# Altium PCB Apalis-Smart-Vision-Baseboard.PcbDoc (part 5 of 6)
Units mm, origin at the board's own origin, x right, y up, seen from the top; angles counter-clockwise.
Board outline 100 x 70 mm, 4 copper layers (Top Layer, Power Plane, Ground Plane, Bottom Layer), stack 1.52 mm thick; 202 components, 197 nets, 1190 pads, 441 vias.
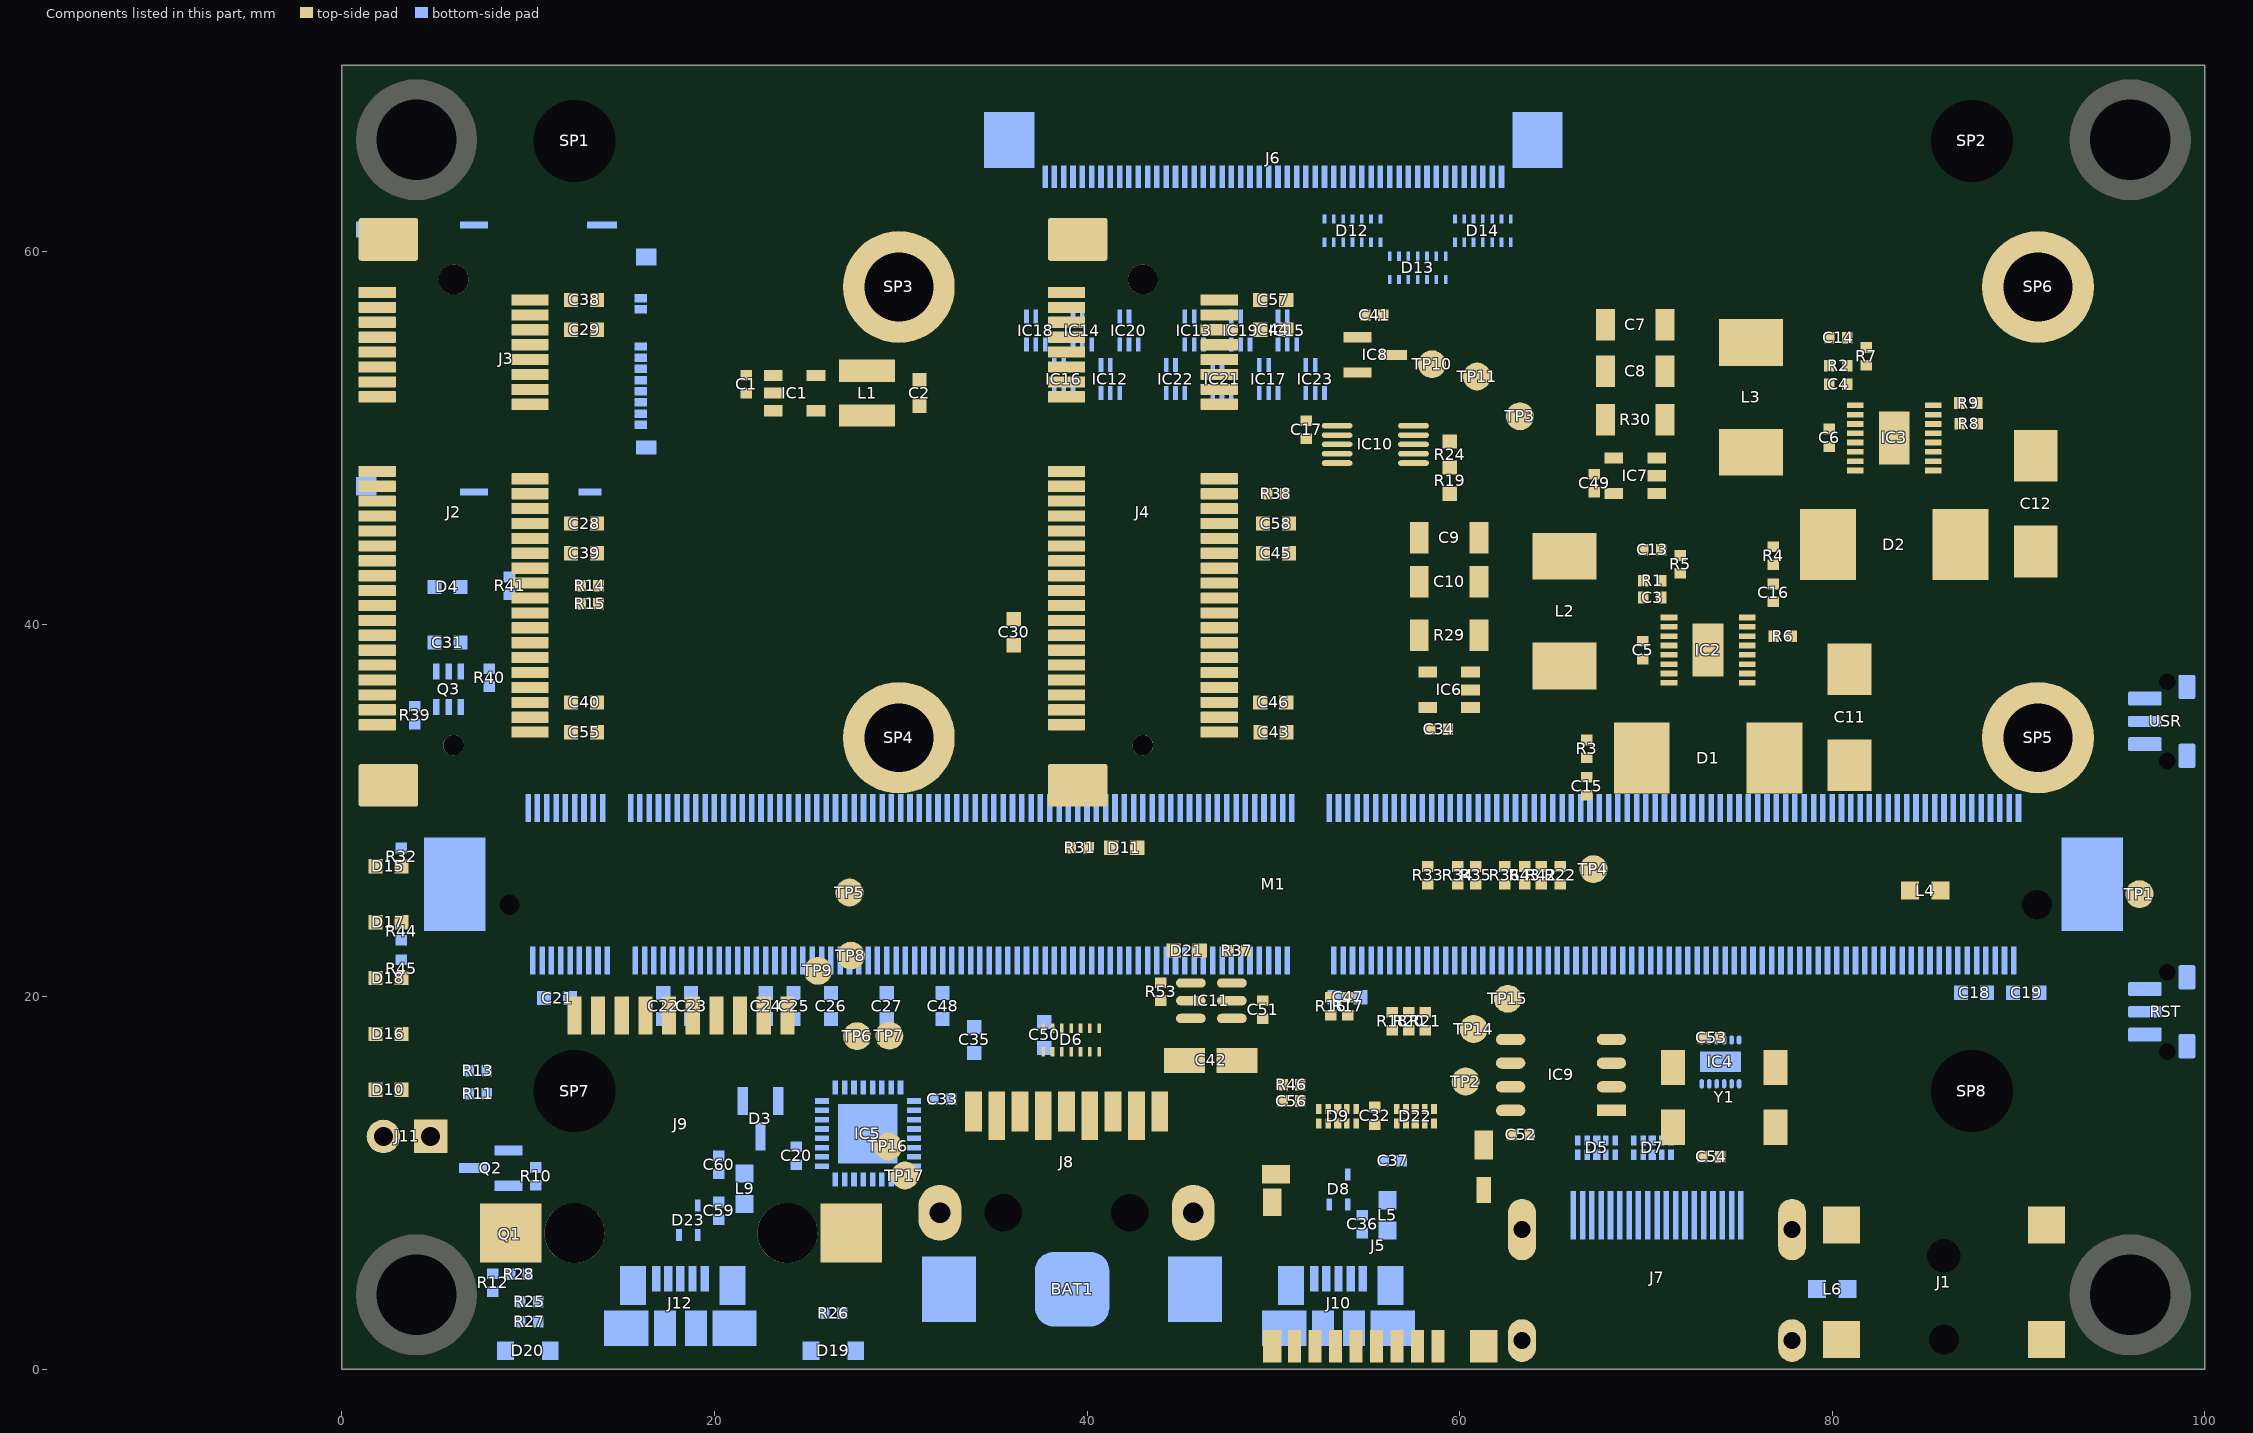
[diagram p7: the components of this part, seen from the top]

## Via types
v1: diameter 0.6, hole 0.25, Top Layer to Bottom Layer, tented both sides, 440 vias
v2: diameter 0.6, hole 0.25, Top Layer to Bottom Layer, 1 vias

## Nets (pads, with @x,y where several pads share a name; then routed paths per layer and width w, separated by ;. In a path a pad name is that pad's centre, name@x,y a point inside that pad or via, vN(x,y) a via of type N, cw(c..) or ccw(c..) an arc to the next point about the centre after c; other vN are vias at no path point) (continued)
copper on no net: (continued)
  Bottom Layer w0.009: 95.572,7.547 95.719,7.547 ; 95.572,7.556 95.719,7.556 ; 95.572,7.565 95.719,7.565 ; 95.572,8.75 96.095,8.75 ; 95.572,8.759 96.104,8.759 ; 95.572,9.025 96.022,9.025 ; 95.572,9.273 96.077,9.273 ; 95.581,7.519 95.71,7.519 ; 95.581,7.528 95.71,7.528 ; 95.581,8.74 96.077,8.74 ; 95.581,9.034 96.031,9.034 ; 95.581,9.255 95.737,9.255 ; 95.581,9.264 95.783,9.264 ; 95.581,9.328 96.031,9.328 ; 95.59,9.043 96.04,9.043 ; 95.59,9.245 95.71,9.245 ; 95.59,9.337 96.022,9.337 ; 95.599,8.731 96.068,8.731 ; 95.599,9.053 96.049,9.053 ; 95.599,9.236 95.691,9.236 ; 95.609,8.722 96.049,8.722 ; 95.609,9.227 95.673,9.227 ; 95.609,9.346 96.013,9.346 ; 95.618,8.713 96.031,8.713 ; 95.618,9.062 96.058,9.062 ; 95.618,9.218 95.654,9.218 ; 95.627,9.209 95.645,9.209 ; 95.627,9.356 95.994,9.356 ; 95.636,8.704 96.013,8.704 ; 95.636,9.071 96.068,9.071 ; 95.645,9.365 95.985,9.365 ; 95.654,7.74 95.774,7.74 ; 95.654,7.749 95.783,7.749 ; 95.654,7.758 95.783,7.758 ; 95.654,8.695 95.994,8.695 ; 95.654,9.08 96.068,9.08 ; 95.664,7.767 95.783,7.767 ; 95.664,7.776 95.792,7.776 ; 95.664,7.785 95.792,7.785 ; 95.664,7.795 95.792,7.795 ; 95.673,7.804 95.801,7.804 ; 95.673,7.813 95.801,7.813 ; 95.673,7.822 95.801,7.822 ; 95.673,8.685 95.967,8.685 ; 95.673,9.374 95.957,9.374 ; 95.682,7.831 95.811,7.831 ; 95.682,7.841 95.811,7.841 ; 95.682,7.85 95.811,7.85 ; 95.682,7.859 95.82,7.859 ; 95.691,7.868 95.82,7.868 ; 95.691,7.877 95.82,7.877 ; 95.691,7.886 95.829,7.886 ; 95.691,7.896 95.829,7.896 ; 95.691,9.089 96.077,9.089 ; 95.7,7.905 95.829,7.905 ; 95.7,7.914 95.829,7.914 ; 95.7,7.923 95.838,7.923 ; 95.7,8.676 95.939,8.676 ; 95.7,9.383 95.939,9.383 ; 95.71,7.932 95.838,7.932 ; 95.71,7.942 95.838,7.942 ; 95.71,7.951 95.847,7.951 ; 95.71,7.96 95.847,7.96 ; 95.719,7.969 95.847,7.969 ; 95.719,7.978 95.856,7.978 ; 95.719,7.988 95.856,7.988 ; 95.719,7.997 95.856,7.997 ; 95.728,8.006 95.866,8.006 ; 95.728,8.015 95.866,8.015 ; 95.728,8.024 95.866,8.024 ; 95.737,8.033 95.875,8.033 ; 95.737,8.043 95.875,8.043 ; 95.737,8.052 95.875,8.052 ; 95.737,8.061 95.884,8.061 ; 95.737,9.392 95.893,9.392 ; 95.746,8.07 95.884,8.07 ; 95.746,8.079 95.884,8.079 ; 95.746,8.089 95.893,8.089 ; 95.746,8.098 95.893,8.098 ; 95.746,8.667 95.902,8.667 ; 95.755,8.107 95.893,8.107 ; 95.755,8.116 95.893,8.116 ; 95.755,8.125 95.902,8.125 ; 95.765,8.134 95.902,8.134 ; 95.765,8.144 95.902,8.144 ; 95.765,8.153 95.912,8.153 ; 95.765,8.162 95.912,8.162 ; 95.774,8.171 95.912,8.171 ; 95.774,8.18 95.921,8.18 ; 95.774,8.19 95.921,8.19 ; 95.774,8.199 95.921,8.199 ; 95.774,9.099 96.077,9.099 ; 95.783,8.208 95.93,8.208 ; 95.783,8.217 95.93,8.217 ; 95.783,8.226 95.93,8.226 ; 95.792,8.235 95.939,8.235 ; 95.811,12.891 97.647,12.891 ; 95.856,9.264 96.077,9.264 ; 95.866,8.796 96.132,8.796 ; 95.875,9.108 96.077,9.108 ; 95.884,12.881 97.647,12.881 ; 95.902,8.805 96.123,8.805 ; 95.902,9.117 96.086,9.117 ; 95.902,9.255 96.077,9.255 ; 95.921,9.126 96.086,9.126 ; 95.921,9.245 96.086,9.245 ; 95.93,9.236 96.086,9.236 ; 95.93,12.872 97.647,12.872 ; 95.939,8.814 96.114,8.814 ; 95.939,9.135 96.086,9.135 ; 95.939,9.144 96.086,9.144 ; 95.939,9.218 96.086,9.218 ; 95.939,9.227 96.086,9.227 ; 95.948,9.154 96.095,9.154 ; 95.948,9.163 96.095,9.163 ; 95.948,9.172 96.095,9.172 ; 95.948,9.181 96.095,9.181 ; 95.948,9.19 96.095,9.19 ; 95.948,9.2 96.095,9.2 ; 95.948,9.209 96.086,9.209 ; 95.957,8.823 96.104,8.823 ; 95.967,12.863 97.656,12.863 ; 95.976,8.832 96.095,8.832 ; 95.985,8.841 96.086,8.841 ; 96.003,8.851 96.077,8.851 ; 96.003,12.854 97.656,12.854 ; 96.013,8.86 96.068,8.86 ; 96.022,7.519 96.159,7.519 ; 96.022,7.528 96.159,7.528 ; 96.022,7.538 96.159,7.538 ; 96.022,7.547 96.159,7.547 ; 96.022,7.556 96.159,7.556 ; 96.022,7.565 96.159,7.565 ; 96.022,7.574 96.159,7.574 ; 96.022,7.584 96.159,7.584 ; 96.022,7.593 96.536,7.593 ; 96.022,7.602 96.545,7.602 ; 96.022,7.611 96.554,7.611 ; 96.022,7.62 96.554,7.62 ; 96.022,7.629 96.563,7.629 ; 96.022,7.639 96.573,7.639 ; 96.022,7.648 96.573,7.648 ; 96.022,7.657 96.26,7.657 ; 96.022,7.666 96.233,7.666 ; 96.022,7.675 96.224,7.675 ; 96.022,7.684 96.215,7.684 ; 96.022,7.694 96.205,7.694 ; 96.022,7.703 96.196,7.703 ; 96.022,7.712 96.196,7.712 ; 96.022,7.721 96.187,7.721 ; 96.022,7.73 96.178,7.73 ; 96.022,7.74 96.178,7.74 ; 96.022,7.749 96.178,7.749 ; 96.022,7.758 96.178,7.758 ; 96.022,7.767 96.169,7.767 ; 96.022,7.776 96.169,7.776 ; 96.022,7.785 96.169,7.785 ; 96.022,7.795 96.169,7.795 ; 96.022,7.804 96.169,7.804 ; 96.022,7.813 96.169,7.813 ; 96.022,7.822 96.169,7.822 ; 96.022,7.831 96.169,7.831 ; 96.022,7.841 96.169,7.841 ; 96.022,7.85 96.169,7.85 ; 96.022,7.859 96.159,7.859 ; 96.022,7.868 96.159,7.868 ; 96.022,7.877 96.159,7.877 ; 96.022,7.886 96.159,7.886 ; 96.022,7.896 96.159,7.896 ; 96.022,7.905 96.169,7.905 ; 96.022,7.914 96.169,7.914 ; 96.022,7.923 96.169,7.923 ; 96.022,7.932 96.169,7.932 ; 96.022,7.942 96.169,7.942 ; 96.022,7.951 96.169,7.951 ; 96.022,7.96 96.169,7.96 ; 96.022,7.969 96.169,7.969 ; 96.022,7.978 96.169,7.978 ; 96.022,7.988 96.169,7.988 ; 96.022,7.997 96.169,7.997 ; 96.022,8.006 96.178,8.006 ; 96.022,8.015 96.178,8.015 ; 96.022,8.024 96.178,8.024 ; 96.022,8.033 96.187,8.033 ; 96.022,8.043 96.187,8.043 ; 96.022,8.052 96.196,8.052 ; 96.022,8.061 96.205,8.061 ; 96.022,8.07 96.205,8.07 ; 96.022,8.079 96.224,8.079 ; 96.022,8.089 96.233,8.089 ; 96.022,8.098 96.251,8.098 ; 96.022,8.107 96.297,8.107 ; 96.022,8.116 96.573,8.116 ; 96.022,8.125 96.563,8.125 ; 96.022,8.134 96.563,8.134 ; 96.022,8.144 96.554,8.144 ; 96.022,8.153 96.545,8.153 ; 96.022,8.162 96.545,8.162 ; 96.022,8.171 96.159,8.171 ; 96.022,8.18 96.159,8.18 ; 96.022,8.19 96.159,8.19 ; 96.022,8.199 96.159,8.199 ; 96.022,8.208 96.159,8.208 ; 96.022,8.217 96.159,8.217 ; 96.022,8.226 96.159,8.226 ; 96.022,8.235 96.159,8.235 ; 96.022,8.245 96.159,8.245 ; 96.022,8.254 96.159,8.254 ; 96.022,8.263 96.159,8.263 ; 96.022,8.272 96.159,8.272 ; 96.022,8.281 96.159,8.281 ; 96.022,8.291 96.159,8.291 ; 96.022,8.3 96.159,8.3 ; 96.022,8.309 96.159,8.309 ; 96.022,8.318 96.159,8.318 ; 96.022,8.327 96.159,8.327 ; 96.022,8.336 96.159,8.336 ; 96.022,8.346 96.159,8.346 ; 96.022,8.355 96.159,8.355 ; 96.022,8.364 96.159,8.364 ; 96.022,8.373 96.159,8.373 ; 96.022,8.382 96.159,8.382 ; 96.022,8.392 96.159,8.392 ; 96.022,8.401 96.159,8.401 ; 96.022,8.41 96.159,8.41 ; 96.022,8.419 96.159,8.419 ; 96.022,8.428 96.159,8.428 ; 96.022,8.437 96.159,8.437 ; 96.022,8.447 96.159,8.447 ; 96.022,8.456 96.159,8.456 ; 96.022,8.465 96.159,8.465 ; 96.022,8.474 96.159,8.474 ; 96.022,8.483 96.159,8.483 ; 96.022,8.493 96.159,8.493 ; 96.022,8.502 96.159,8.502 ; 96.022,8.511 96.159,8.511 ; 96.022,8.52 96.159,8.52 ; 96.022,8.529 96.159,8.529 ; 96.022,8.869 96.058,8.869 ; 96.022,12.845 97.665,12.845 ; 96.031,8.878 96.049,8.878 ; 96.049,12.836 97.665,12.836 ; 96.058,11.385 97.665,11.385 ; 96.058,11.394 97.674,11.394 ; 96.058,11.403 97.674,11.403 ; 96.068,11.366 97.656,11.366 ; 96.068,11.376 97.665,11.376 ; 96.068,11.412 97.674,11.412 ; 96.068,12.826 97.665,12.826 ; 96.077,11.339 97.647,11.339 ; 96.077,11.348 97.656,11.348 ; 96.077,11.357 97.656,11.357 ; 96.077,11.422 97.684,11.422 ; 96.086,11.321 97.638,11.321 ; 96.086,11.33 97.647,11.33 ; 96.086,11.431 97.684,11.431 ; 96.086,12.817 97.674,12.817 ; 96.095,11.302 97.638,11.302 ; 96.095,11.311 97.638,11.311 ; 96.104,11.275 97.619,11.275 ; 96.104,11.284 97.629,11.284 ; 96.104,11.293 97.629,11.293 ; 96.104,11.44 97.693,11.44 ; 96.104,12.808 97.674,12.808 ; 96.114,11.256 97.619,11.256 ; 96.114,11.265 97.619,11.265 ; 96.114,11.449 97.693,11.449 ; 96.123,11.229 97.601,11.229 ; 96.123,11.238 97.61,11.238 ; 96.123,11.247 97.61,11.247 ; 96.123,12.799 97.684,12.799 ; 96.132,11.21 97.601,11.21 ; 96.132,11.22 97.601,11.22 ; 96.132,11.458 97.693,11.458 ; 96.141,11.192 97.592,11.192 ; 96.141,11.201 97.592,11.201 ; 96.141,11.467 97.702,11.467 ; 96.141,12.79 97.684,12.79 ; 96.15,11.164 97.583,11.164 ; 96.15,11.174 97.583,11.174 ; 96.15,11.183 97.583,11.183 ; 96.159,11.146 97.573,11.146 ; 96.159,11.155 97.573,11.155 ; 96.159,11.477 97.702,11.477 ; 96.159,12.78 97.693,12.78 ; 96.169,11.119 97.564,11.119 ; 96.169,11.128 97.564,11.128 ; 96.169,11.137 97.564,11.137 ; 96.169,11.486 97.711,11.486 ; 96.169,12.771 97.693,12.771 ; 96.178,7.584 96.527,7.584 ; 96.178,8.171 96.536,8.171 ; 96.178,11.1 97.555,11.1 ; 96.178,11.109 97.555,11.109 ; 96.178,11.495 97.711,11.495 ; 96.187,7.574 96.518,7.574 ; 96.187,8.18 96.527,8.18 ; 96.187,11.073 97.546,11.073 ; 96.187,11.082 97.546,11.082 ; 96.187,11.091 97.546,11.091 ; 96.187,12.762 97.693,12.762 ; 96.196,7.565 96.508,7.565 ; 96.196,8.19 96.518,8.19 ; 96.196,11.054 97.546,11.054 ; 96.196,11.063 97.546,11.063 ; 96.196,11.504 97.711,11.504 ; 96.196,12.753 97.702,12.753 ; 96.205,11.036 97.555,11.036 ; 96.205,11.045 97.555,11.045 ; 96.205,11.513 97.72,11.513 ; 96.215,7.556 96.499,7.556 ; 96.215,8.199 96.499,8.199 ; 96.215,11.008 97.573,11.008 ; 96.215,11.018 97.573,11.018 ; 96.215,11.027 97.564,11.027 ; 96.215,11.523 97.72,11.523 ; 96.215,12.744 97.702,12.744 ; 96.224,7.547 96.49,7.547 ; 96.224,8.208 96.49,8.208 ; 96.224,10.99 97.592,10.99 ; 96.224,10.999 97.583,10.999 ; 96.224,12.735 97.711,12.735 ; 96.233,10.962 97.61,10.962 ; 96.233,10.972 97.601,10.972 ; 96.233,10.981 97.592,10.981 ; 96.233,11.532 97.73,11.532 ; 96.233,12.725 97.711,12.725 ; 96.242,7.538 96.472,7.538 ; 96.242,8.217 96.472,8.217 ; 96.242,10.944 97.619,10.944 ; 96.242,10.953 97.61,10.953 ; 96.242,11.541 97.73,11.541 ; 96.251,10.926 97.629,10.926 ; 96.251,10.935 97.629,10.935 ; 96.251,11.55 97.73,11.55 ; 96.251,12.716 97.72,12.716 ; 96.26,7.528 96.453,7.528 ; 96.26,8.226 96.453,8.226 ; 96.26,10.898 97.656,10.898 ; 96.26,10.907 97.647,10.907 ; 96.26,10.917 97.638,10.917 ; 96.26,11.559 97.739,11.559 ; 96.26,12.707 97.72,12.707 ; 96.27,10.88 97.665,10.88 ; 96.27,10.889 97.656,10.889 ; 96.27,11.568 97.739,11.568 ; 96.27,12.698 97.72,12.698 ; 96.279,10.852 97.684,10.852 ; 96.279,10.861 97.674,10.861 ; 96.279,10.871 97.674,10.871 ; 96.279,11.578 97.748,11.578 ; 96.279,12.689 97.73,12.689 ; 96.288,7.519 96.426,7.519 ; 96.288,8.235 96.435,8.235 ; 96.288,10.834 97.693,10.834 ; 96.288,10.843 97.693,10.843 ; 96.288,12.679 97.73,12.679 ; 96.297,10.806 97.711,10.806 ; 96.297,10.816 97.711,10.816 ; 96.297,10.825 97.702,10.825 ; 96.297,11.587 97.748,11.587 ; 96.297,12.67 97.739,12.67 ; 96.306,10.788 97.73,10.788 ; 96.306,10.797 97.72,10.797 ; 96.306,11.596 97.748,11.596 ; 96.306,12.661 97.739,12.661 ; 96.316,10.77 97.739,10.77 ; 96.316,10.779 97.73,10.779 ; 96.316,11.605 97.757,11.605 ; 96.316,12.652 97.748,12.652 ; 96.325,8.107 96.573,8.107 ; 96.325,8.245 96.389,8.245 ; 96.325,10.742 97.757,10.742 ; 96.325,10.751 97.748,10.751 ; 96.325,10.76 97.748,10.76 ; 96.325,11.614 97.766,11.614 ; 96.325,11.624 97.766,11.624 ; 96.325,12.643 97.766,12.643 ; 96.334,10.724 97.775,10.724 ; 96.334,10.733 97.766,10.733 ; 96.334,11.633 97.785,11.633 ; 96.334,12.634 97.785,12.634 ; 96.343,7.51 96.361,7.51 ; 96.343,10.696 97.794,10.696 ; 96.343,10.705 97.785,10.705 ; 96.343,10.715 97.775,10.715 ; 96.343,11.642 97.821,11.642 ; 96.343,12.624 97.831,12.624 ; 96.352,10.678 97.803,10.678 ; 96.352,10.687 97.794,10.687 ; 96.352,11.651 97.867,11.651 ; 96.352,12.606 97.932,12.606 ; 96.352,12.615 97.876,12.615 ; 96.361,7.657 96.573,7.657 ; 96.361,10.659 97.812,10.659 ; 96.361,10.669 97.812,10.669 ; 96.361,11.66 97.913,11.66 ; 96.361,12.597 97.977,12.597 ; 96.371,8.098 96.582,8.098 ; 96.371,10.632 97.831,10.632 ; 96.371,10.641 97.831,10.641 ; 96.371,10.65 97.821,10.65 ; 96.371,11.669 97.968,11.669 ; 96.371,11.679 98.014,11.679 ; 96.371,12.588 98.023,12.588 ; 96.38,10.614 97.849,10.614 ; 96.38,10.623 97.84,10.623 ; 96.38,11.688 98.069,11.688 ; 96.38,12.569 98.124,12.569 ; 96.38,12.578 98.078,12.578 ; 96.389,7.666 96.582,7.666 ; 96.389,8.089 96.582,8.089 ; 96.389,10.586 97.867,10.586 ; 96.389,10.595 97.858,10.595 ; 96.389,10.604 97.849,10.604 ; 96.389,11.697 98.115,11.697 ; 96.389,11.706 98.161,11.706 ; 96.389,12.56 98.179,12.56 ; 96.398,7.675 96.582,7.675 ; 96.398,10.568 97.876,10.568 ; 96.398,10.577 97.876,10.577 ; 96.398,11.715 98.216,11.715 ; 96.398,12.542 98.271,12.542 ; 96.398,12.551 98.225,12.551 ; 96.407,7.684 96.582,7.684 ; 96.407,8.079 96.582,8.079 ; 96.407,10.54 97.895,10.54 ; 96.407,10.549 97.895,10.549 ; 96.407,10.558 97.886,10.558 ; 96.407,11.725 98.262,11.725 ; 96.407,11.734 98.308,11.734 ; 96.407,12.533 98.326,12.533 ; 96.417,7.694 96.591,7.694 ; 96.417,8.07 96.582,8.07 ; 96.417,10.522 97.913,10.522 ; 96.417,10.531 97.904,10.531 ; 96.417,11.743 98.363,11.743 ; 96.417,12.514 98.418,12.514 ; 96.417,12.523 98.372,12.523 ; 96.426,7.703 96.591,7.703 ; 96.426,8.052 96.591,8.052 ; 96.426,8.061 96.591,8.061 ; 96.426,10.503 97.922,10.503 ; 96.426,10.513 97.913,10.513 ; 96.426,11.752 98.409,11.752 ; 96.426,11.761 98.446,11.761 ; 96.426,12.496 98.464,12.496 ; 96.426,12.505 98.455,12.505 ; 96.435,7.712 96.591,7.712 ; 96.435,7.721 96.591,7.721 ; 96.435,8.033 96.591,8.033 ; 96.435,8.043 96.591,8.043 ; 96.435,10.476 97.932,10.476 ; 96.435,10.485 97.932,10.485 ; 96.435,10.494 97.922,10.494 ; 96.435,11.77 98.464,11.77 ; 96.435,11.78 98.464,11.78 ; 96.435,12.477 98.473,12.477 ; 96.435,12.487 98.473,12.487 ; 96.444,7.73 96.591,7.73 ; 96.444,7.74 96.591,7.74 ; 96.444,7.749 96.591,7.749 ; 96.444,8.006 96.591,8.006 ; 96.444,8.015 96.591,8.015 ; 96.444,8.024 96.591,8.024 ; 96.444,10.457 97.922,10.457 ; 96.444,10.467 97.922,10.467 ; 96.444,11.789 98.473,11.789 ; 96.444,11.798 98.473,11.798 ; 96.444,12.459 98.473,12.459 ; 96.444,12.468 98.473,12.468 ; 96.453,7.758 96.591,7.758 ; 96.453,7.767 96.6,7.767 ; 96.453,7.776 96.6,7.776 ; 96.453,7.785 96.6,7.785 ; 96.453,7.795 96.6,7.795 ; 96.453,7.804 96.6,7.804 ; 96.453,7.813 96.6,7.813 ; 96.453,7.822 96.6,7.822 ; 96.453,7.831 96.6,7.831 ; 96.453,7.841 96.6,7.841 ; 96.453,7.85 96.6,7.85 ; 96.453,7.914 96.6,7.914 ; 96.453,7.923 96.6,7.923 ; 96.453,7.932 96.6,7.932 ; 96.453,7.942 96.6,7.942 ; 96.453,7.951 96.6,7.951 ; 96.453,7.96 96.6,7.96 ; 96.453,7.969 96.6,7.969 ; 96.453,7.978 96.6,7.978 ; 96.453,7.988 96.6,7.988 ; 96.453,7.997 96.591,7.997 ; 96.453,10.43 97.895,10.43 ; 96.453,10.439 97.904,10.439 ; 96.453,10.448 97.913,10.448 ; 96.453,11.807 98.473,11.807 ; 96.453,11.816 98.473,11.816 ; 96.453,12.441 98.473,12.441 ; 96.453,12.45 98.473,12.45 ; 96.462,7.859 96.6,7.859 ; 96.462,7.868 96.6,7.868 ; 96.462,7.877 96.6,7.877 ; 96.462,7.886 96.6,7.886 ; 96.462,7.896 96.6,7.896 ; 96.462,7.905 96.6,7.905 ; 96.462,10.412 97.876,10.412 ; 96.462,10.421 97.886,10.421 ; 96.462,11.826 98.473,11.826 ; 96.462,11.835 98.473,11.835 ; 96.462,11.844 98.473,11.844 ; 96.462,12.422 98.473,12.422 ; 96.462,12.432 98.473,12.432 ; 96.472,10.393 97.858,10.393 ; 96.472,10.402 97.867,10.402 ; 96.472,11.853 98.473,11.853 ; 96.472,11.862 98.473,11.862 ; 96.472,11.871 98.473,11.871 ; 96.472,12.395 98.473,12.395 ; 96.472,12.404 98.473,12.404 ; 96.472,12.413 98.473,12.413 ; 96.481,10.366 97.831,10.366 ; 96.481,10.375 97.84,10.375 ; 96.481,10.384 97.849,10.384 ; 96.481,11.881 98.473,11.881 ; 96.481,11.89 98.473,11.89 ; 96.481,11.899 98.473,11.899 ; 96.481,12.367 98.473,12.367 ; 96.481,12.376 98.473,12.376 ; 96.481,12.386 98.473,12.386 ; 96.49,10.347 97.812,10.347 ; 96.49,10.356 97.821,10.356 ; 96.49,11.908 98.473,11.908 ; 96.49,11.917 98.473,11.917 ; 96.49,11.927 98.473,11.927 ; 96.49,12.34 98.473,12.34 ; 96.49,12.349 98.473,12.349 ; 96.49,12.358 98.473,12.358 ; 96.499,10.32 96.784,10.32 ; 96.499,10.329 96.802,10.329 ; 96.499,10.338 96.83,10.338 ; 96.499,11.936 98.473,11.936 ; 96.499,11.945 98.473,11.945 ; 96.499,11.954 98.473,11.954 ; 96.499,11.963 98.473,11.963 ; 96.499,12.303 98.473,12.303 ; 96.499,12.312 98.473,12.312 ; 96.499,12.321 98.473,12.321 ; 96.499,12.331 98.473,12.331 ; 96.508,10.301 96.747,10.301 ; 96.508,10.311 96.765,10.311 ; 96.508,11.972 98.473,11.972 ; 96.508,11.982 98.473,11.982 ; 96.508,11.991 98.473,11.991 ; 96.508,12 98.473,12 ; 96.508,12.009 98.473,12.009 ; 96.508,12.248 98.473,12.248 ; 96.508,12.257 98.473,12.257 ; 96.508,12.266 98.473,12.266 ; 96.508,12.275 98.473,12.275 ; 96.508,12.285 98.473,12.285 ; 96.508,12.294 98.473,12.294 ; 96.518,10.274 96.701,10.274 ; 96.518,10.283 96.72,10.283 ; 96.518,10.292 96.729,10.292 ; 96.518,12.018 98.473,12.018 ; 96.518,12.028 98.473,12.028 ; 96.518,12.037 98.473,12.037 ; 96.518,12.046 98.473,12.046 ; 96.518,12.055 98.473,12.055 ; 96.518,12.064 98.473,12.064 ; 96.518,12.073 98.473,12.073 ; 96.518,12.083 98.473,12.083 ; 96.518,12.092 98.473,12.092 ; 96.518,12.101 98.473,12.101 ; 96.518,12.11 98.473,12.11 ; 96.518,12.119 98.473,12.119 ; 96.518,12.138 98.473,12.138 ; 96.518,12.147 98.473,12.147 ; 96.518,12.156 98.473,12.156 ; 96.518,12.165 98.473,12.165 ; 96.518,12.174 98.473,12.174 ; 96.518,12.184 98.473,12.184 ; 96.518,12.193 98.473,12.193 ; 96.518,12.202 98.473,12.202 ; 96.518,12.211 98.473,12.211 ; 96.518,12.22 98.473,12.22 ; 96.518,12.23 98.473,12.23 ; 96.518,12.239 98.473,12.239 ; 96.527,10.255 96.664,10.255 ; 96.527,10.265 96.683,10.265 ; 96.527,12.129 98.473,12.129 ; 96.536,10.237 96.628,10.237 ; 96.536,10.246 96.646,10.246 ; 96.545,8.676 96.683,8.676 ; 96.545,8.685 96.683,8.685 ; 96.545,8.695 96.683,8.695 ; 96.545,8.704 96.683,8.704 ; 96.545,8.713 96.683,8.713 ; 96.545,8.722 96.683,8.722 ; 96.545,8.731 96.683,8.731 ; 96.545,8.74 96.683,8.74 ; 96.545,8.75 96.683,8.75 ; 96.545,8.759 96.683,8.759 ; 96.545,8.768 96.683,8.768 ; 96.545,8.777 96.683,8.777 ; 96.545,8.786 96.683,8.786 ; 96.545,8.796 96.683,8.796 ; 96.545,8.805 96.683,8.805 ; 96.545,8.814 96.683,8.814 ; 96.545,8.823 96.683,8.823 ; 96.545,8.832 96.683,8.832 ; 96.545,8.841 96.683,8.841 ; 96.545,8.851 96.683,8.851 ; 96.545,8.86 96.683,8.86 ; 96.545,8.869 96.683,8.869 ; 96.545,8.878 96.683,8.878 ; 96.545,8.887 96.683,8.887 ; 96.545,8.897 96.683,8.897 ; 96.545,8.906 96.683,8.906 ; 96.545,8.915 96.683,8.915 ; 96.545,8.924 96.683,8.924 ; 96.545,8.933 96.683,8.933 ; 96.545,8.942 96.683,8.942 ; 96.545,8.952 96.683,8.952 ; 96.545,8.961 96.683,8.961 ; 96.545,8.97 96.683,8.97 ; 96.545,8.979 96.683,8.979 ; 96.545,8.988 96.683,8.988 ; 96.545,8.998 96.683,8.998 ; 96.545,9.007 96.683,9.007 ; 96.545,9.016 96.683,9.016 ; 96.545,9.025 96.683,9.025 ; 96.545,9.034 96.683,9.034 ; 96.545,9.043 96.683,9.043 ; 96.545,9.053 96.683,9.053 ; 96.545,9.062 96.683,9.062 ; 96.545,9.071 96.683,9.071 ; 96.545,9.08 96.683,9.08 ; 96.545,9.089 96.683,9.089 ; 96.545,9.099 96.683,9.099 ; 96.545,9.108 96.683,9.108 ; 96.545,9.117 96.683,9.117 ; 96.545,9.126 96.683,9.126 ; 96.545,9.135 96.683,9.135 ; 96.545,9.144 96.692,9.144 ; 96.545,9.154 96.692,9.154 ; 96.545,9.163 96.692,9.163 ; 96.545,9.172 96.701,9.172 ; 96.545,9.181 96.701,9.181 ; 96.545,9.19 96.71,9.19 ; 96.545,9.2 96.71,9.2 ; 96.545,9.209 96.72,9.209 ; 96.545,10.219 96.591,10.219 ; 96.545,10.228 96.609,10.228 ; 96.554,9.218 96.729,9.218 ; 96.554,9.227 96.738,9.227 ; 96.554,9.236 96.747,9.236 ; 96.554,10.21 96.573,10.21 ; 96.563,9.245 96.765,9.245 ; 96.563,9.255 96.793,9.255 ; 96.573,9.264 97.114,9.264 ; 96.573,9.273 97.114,9.273 ; 96.582,9.282 97.114,9.282 ; 96.582,9.291 97.114,9.291 ; 96.591,9.301 97.114,9.301 ; 96.6,9.31 97.114,9.31 ; 96.609,9.319 96.967,9.319 ; 96.619,8.18 96.931,8.18 ; 96.619,8.19 96.922,8.19 ; 96.619,8.199 96.912,8.199 ; 96.619,9.328 96.958,9.328 ; 96.619,9.337 96.949,9.337 ; 96.628,8.171 96.94,8.171 ; 96.628,8.208 96.894,8.208 ; 96.637,8.162 97.096,8.162 ; 96.637,9.346 96.94,9.346 ; 96.646,8.153 97.096,8.153 ; 96.646,8.217 96.876,8.217 ; 96.646,9.356 96.922,9.356 ; 96.655,8.144 97.096,8.144 ; 96.664,8.125 97.096,8.125 ; 96.664,8.134 97.096,8.134 ; 96.664,8.226 96.866,8.226 ; 96.664,9.365 96.912,9.365 ; 96.674,8.116 97.096,8.116 ; 96.683,8.107 96.793,8.107 ; 96.683,8.235 96.839,8.235 ; 96.683,9.374 96.894,9.374 ; 96.692,8.098 96.756,8.098 ; 96.701,8.089 96.738,8.089 ; 96.701,9.383 96.876,9.383 ; 96.71,8.079 96.72,8.079 ; 96.72,8.245 96.793,8.245 ; 96.729,9.392 96.839,9.392 ; 96.811,13.901 97.831,13.901 ; 96.821,8.107 97.096,8.107 ; 96.83,13.91 97.821,13.91 ; 96.839,13.919 97.812,13.919 ; 96.848,10.338 97.803,10.338 ; 96.848,13.928 97.803,13.928 ; 96.866,8.098 97.096,8.098 ; 96.866,9.255 97.114,9.255 ; 96.866,10.329 97.794,10.329 